# KiCad board flex_right_mod.kicad_pcb (continued)
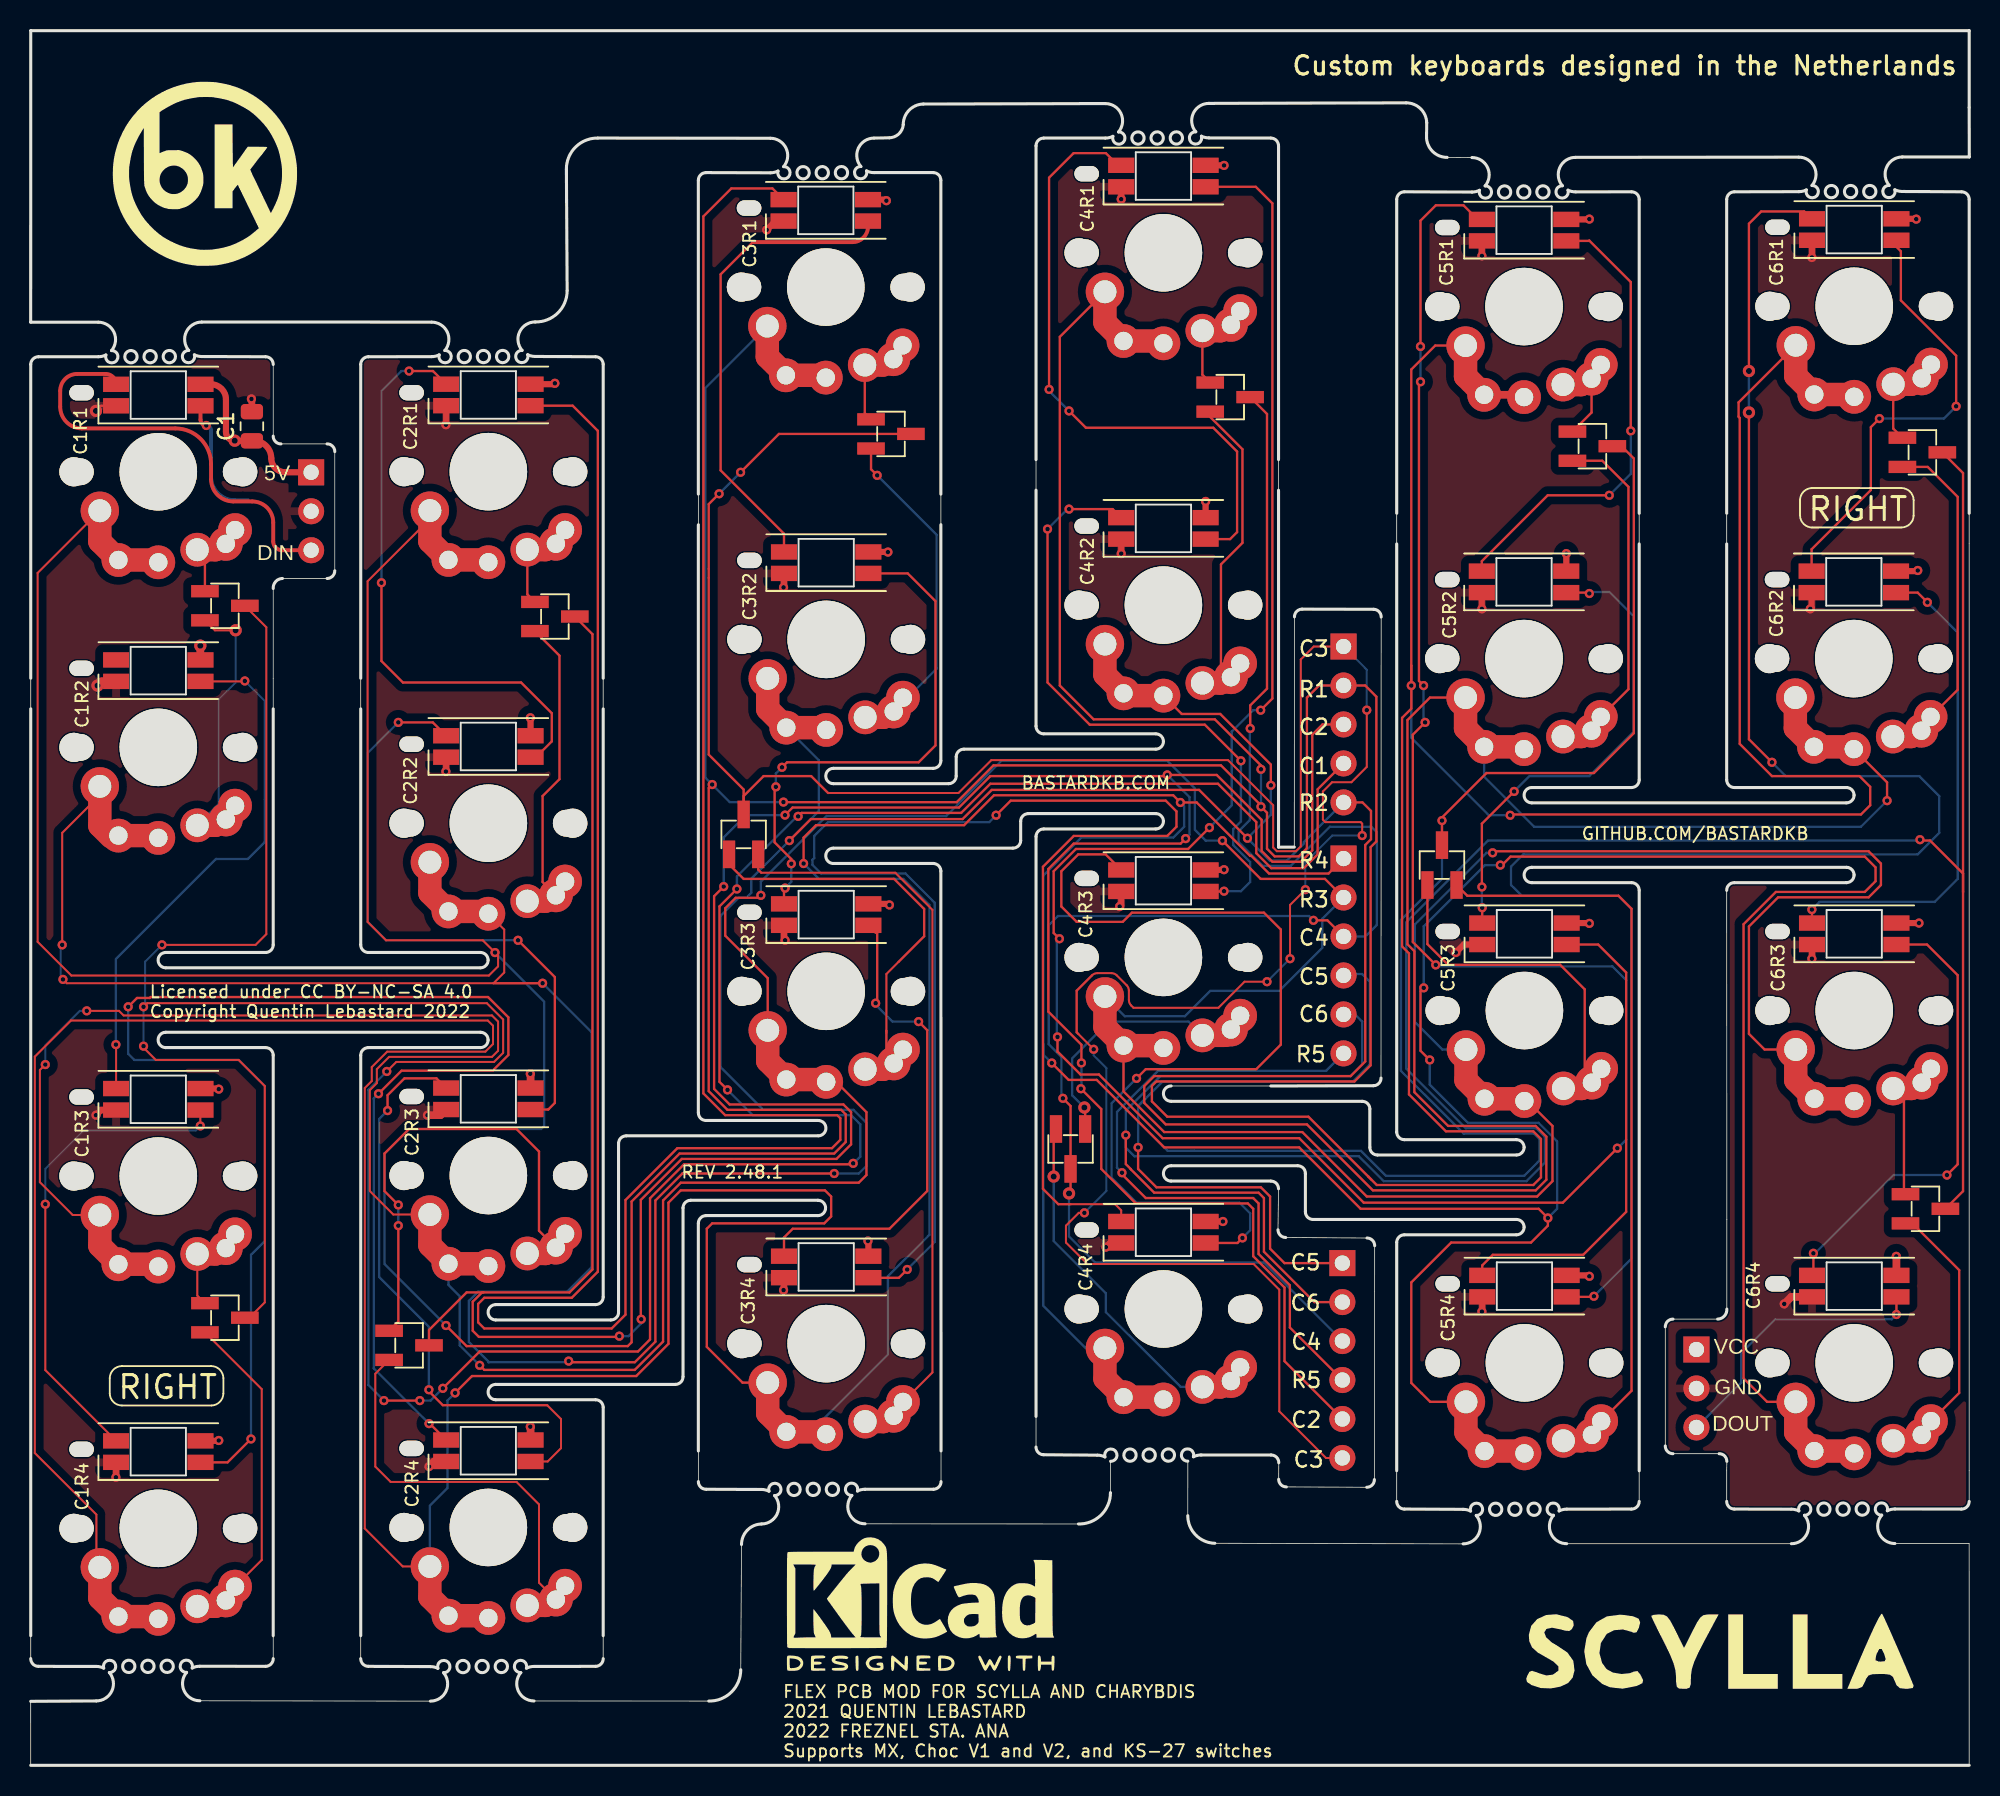
[diagram p0: board, top side]
## Routing (per net, layer and track width the routed paths; a pad name or vN(x,y) marks a point on that pad's centre or on a via; arc(x,y) is an arc through that point)
Gnd: length 28.9
  Top w0.15: v2(4.25,88.27) 4.59,88.6 D2.2
  Top w0.4: D43.2 71.05,102.07 v1(71.05,102.07) ; v1(71.05,78.97) 71.05,78.97 D41.2 ; D33.2 27.07,64.79 v1(27.05,64.77) ; v1(70.05,33.77) 70.32,34.04 D37.2 ; D49.2 93.37,53.49 v1(92.85,52.97) ; v1(116.05,52.57) 116.06,52.58 D57.2 ; v1(49.05,30.97) 49.08,31 D25.2 ; D21.2 49.08,76.8 v1(49.05,76.77) ; v1(115.95,75.37) 116.04,75.45 D55.2 ; v1(5.55,18.77) 5.56,18.78 D18.2 ; D23.2 49.08,53.84 v1(49.15,53.77) ; D4.2 4.59,42.71 v1(4.25,42.37) ; v1(27.05,87.37) 27.07,87.39 D35.2 ; v1(70.95,55.97) 71.05,56.07 D39.2 ; D53.2 116.06,98.28 v1(116.05,98.27) ; v1(94.55,29.57) 94.57,29.59 D51.2 ; D47.2 94.55,75.37 v1(94.55,75.37) ; C1.2 14.41,89.02 arc(14.4,89.04) v1(14.38,89.05) ; v1(47.95,100.07) 48.52,100.64 D19.2 ; D45.2 v1(94.55,98.37)
  Top w0.5: D3.2 4.62,70.64 v2(4.35,70.37) ; v1(114.25,30.07) 114.71,30.53 D59.2 ; D5.2 26.28,19.8 v1(25.95,19.47) ; v1(25.85,42.37) 26.7,42.37 D7.2
Vcc: length 39.9
  Top w0.4: D47.4 100.05,77.83 v1(100.05,78.97) ; v1(34.15,90.07) 34.09,90.01 D35.4 ; J3.1 16.59,84.27 arc(15.94,84.54) 15.67,85.19 arc(15.34,85.99) 14.54,86.32 C1.1 13.3,86.32 arc(13.3,86.32) v2(13.29,86.33) arc(12.89,86.5) 12.72,86.9 12.72,89.02 arc(12.43,89.72) 11.74,90 D2.4 ; D53.4 122.83,100.79 v1(122.85,100.77) ; D45.4 101.53,100.75 v1(101.55,100.77) ; v1(55.95,56.07) 55.88,56.14 D23.4 ; v1(54.55,34.17) 54.58,34.14 D25.4 ; v1(76.55,82.37) 76.55,82.37 D41.4 ; v1(101.55,31.87) 101.49,31.93 D51.4 ; D33.4 32.57,68.25 v1(32.55,68.27) ; v1(122.95,77.87) 122.91,77.83 D55.4 ; D4.4 12.22,44.11 v1(12.25,44.07) ; v1(123.03,54.89) D57.4 ; v1(77.75,104.27) 77.75,104.28 D43.4 ; v1(77.68,35.44) D37.4 ; D39.4 77.73,58.35 v1(77.75,58.37) ; v1(101.55,54.87) 101.53,54.89 D49.4 ; v1(12.25,21.17) 12.23,21.14 D18.4 ; D21.4 55.84,79.08 v1(55.85,79.07) ; v1(55.75,101.97) 55.68,102.04 D19.4
  Top w0.5: v1(121.55,33.17) 121.56,33.16 D59.4 ; D5.4 32.57,22.05 v1(32.55,22.07) ; D7.4 32.57,45.05 v1(32.55,45.07) ; D3.4 11.05,72.05 v2(11.05,72.97)
col1: length 237.7
  Top w0.13: v1(23.2,45.22) 23.82,45.84 30.19,45.84 30.78,46.43 30.78,48.61 29.72,49.67 7.59,49.67 v1(7.35,49.43) ; v1(8.55,53.47) 14.65,53.47 15.35,54.17 15.35,74.17 D13.3 ; v1(7.35,46.87) 7.35,46.77 8.15,45.97 13.55,45.97 15.25,44.27 15.25,30.17 14.25,29.17 D1.3
  Top w0.15: v1(25.35,23.77) v1(23.02,23.77) ; v1(53.59,39.23) 53.53,39.17 42.57,39.17 40.35,36.95 40.35,27.75 39.57,26.97 29.25,26.97 v1(26.85,24.57) ; J2.4 83.85,63.61 83.85,59.37 82.95,58.47 80.83,58.47 79.85,59.44 79.85,61.48 77.36,63.97 62.52,63.97 60.62,62.07 50.23,62.07 v1(50,61.85) ; v1(45.4,44.02) 44.88,44.54 44.88,55.98 v1(46.01,57.11)
  Bottom w0.13: v1(8.55,53.47) 7.45,52.37 7.45,49.53 v1(7.35,49.43) v1(7.35,46.87)
  Bottom w0.15: v1(46.01,57.11) 46.01,57.93 49.93,61.85 v1(50,61.85) ; v1(26.85,24.57) 26.05,23.77 v1(25.35,23.77) ; v1(23.2,45.22) 22,44.02 22,24.78 v1(23.02,23.77) ; v1(53.59,39.23) 53.61,39.23 54.05,39.67 54.05,41.78 53.46,42.37 47.05,42.37 v1(45.4,44.02)
col2: length 238.7
  Top w0.15: 29.5,30.82 29.41,30.82 28.8,30.21 28.8,28.32 29.2,27.92 38.3,27.92 v1(38.35,27.97) ; 29.5,30.82 28.4,30.82 25.95,28.37 D32.3 ; 29.5,30.82 35.11,30.82 36.6,32.31 36.6,73.72 D31.3 ; v1(68.46,45.78) 68.46,46.96 66.3,49.12 66.3,58.41 67.96,60.07 74.92,60.07 v1(75.25,60.4) ; J1.5 81.69,26.34 81.69,31.14 79.65,33.18 79.65,36.27 79.3,36.62 72,36.62 69.75,38.87 69.75,42.77 v1(68.43,44.1) ; v1(39.78,29.07) 39.75,29.1 39.75,36.85 42.42,39.52 52.5,39.52 53.45,40.47 53.45,42.57 52.95,43.07 45.54,43.07 44.53,44.08 44.53,56.64 v1(45.15,57.27) ; v1(49.15,61.93) 49.64,62.42 60.48,62.42 62.53,64.47 73.98,64.47 v1(74.05,64.54) 77.28,64.54 80.2,61.62 80.2,59.59 80.91,58.89 82.76,58.89 83.5,59.63 83.5,67.17 84.17,67.84 J2.3
  Bottom w0.15: v1(68.43,44.1) 68.46,44.13 v1(68.46,45.78) ; v1(75.25,60.4) 75.5,60.65 75.5,63.09 v1(74.05,64.54) ; v1(39.78,29.07) 39.78,28.8 38.95,27.97 v1(38.35,27.97) ; v1(49.15,61.93) 46.61,61.93 45.15,60.47 v1(45.15,57.27)
col3: length 187.7
  Top w0.13: v1(86.75,60.6) 86.75,61.37 86.65,61.47 84.35,61.47 84.19,61.63 84.19,63.47 84.79,64.07 86.05,64.07 87.05,65.07 v1(87.05,68.77) ; 51.95,63.37 60.45,63.37 62.59,65.51 78.01,65.51 80.95,62.57 80.95,59.82 81.19,59.58 82.44,59.58 82.75,59.89 82.75,72.07 83.6,72.92 J2.1 ; v1(80.55,51.07) 79.09,51.07 77.39,49.37 71.85,49.37 71.7,49.52 arc(71.59,49.69) 71.55,49.88 71.55,50.49 arc(71.51,50.68) 71.41,50.84 70.77,51.48 arc(70.6,51.59) 70.41,51.63 69.5,51.63 arc(69.31,51.59) 69.15,51.48 ; v1(83.05,57.07) 82.05,56.07 v1(82.05,52.57) ; v1(69.26,46.66) 68.25,47.67 ; v1(68.65,36.01) 68.29,36.01 67.45,35.17 67.45,34.07 68.85,32.67 79.68,32.67 81.35,31 81.35,23.07 84.39,20.03 J1.6
  Top w0.15: 68.25,47.67 68.15,47.77 68.15,50.49 69.15,51.48 ; D9.3 48.75,86.77 v1(46.25,84.27) ; v1(44.85,82.87) 44.18,82.19 44.18,65.87 46.45,63.59 D10.3 46.45,63.17 47.75,64.47 50.85,64.47 51.95,63.37
  Bottom w0.13: v1(83.05,57.07) 83.05,58.84 84.81,60.6 v1(86.75,60.6) ; v1(68.65,36.01) 70.09,37.44 70.09,45.43 69.26,46.26 v1(69.26,46.66) ; v1(80.55,51.07) v1(82.05,52.57) ; J2.1 87.05,71.4 v1(87.05,68.77)
  Bottom w0.15: v1(44.85,82.87) v1(46.25,84.27)
col4: length 111.1
  Top w0.15: J4.3 84.49,55.07 v1(83.58,55.07) ; D11.3 80.55,88.07 80.55,70.17 79.46,69.08 v1(79.46,67.58) ; v2(67.65,37.27) 67.75,37.37 D12.3 67.75,42.97 v1(67.25,43.47)
  Bottom w0.15: v1(79.46,67.58) 79.43,67.55 79.43,61.6 78.7,60.87 78.7,60.18 80.26,58.62 82.1,58.62 84.65,61.17 87.35,61.17 87.71,60.81 87.71,54.77 86.96,54.02 J4.3 ; v2(67.65,37.27) 67.65,34.47 69.35,32.77 80.34,32.77 J1.3 ; v1(67.25,43.47) 67.15,43.57 67.15,46.17 66.33,46.99 66.33,54.74 66.93,55.35 83.3,55.35 v1(83.58,55.07)
col5: length 140.6
  Top w0.15: D15.3 v1(91.95,61.57) 91.95,61.77 94.85,64.67 101.85,64.67 104.45,67.27 104.45,85.17 103.65,85.97 D14.3 ; J1.1 81.69,32.73 80.75,33.67 80.75,37.07 80.15,37.67 73.35,37.67 72.15,38.86 v1(72.15,40.27)
  Bottom w0.15: v1(91.95,61.57) 91.95,57.77 89.28,55.09 89.28,45.26 93.36,41.17 97.95,41.17 98.3,40.82 98.3,39.41 97.31,38.42 88.3,38.42 86.68,40.04 75.83,40.04 ; 75.83,40.04 75.58,40.04 ; 75.83,40.04 74.08,40.04 72.15,41.97 72.15,42.17 ; 72.15,42.17 v1(72.15,40.27) ; 72.15,42.17 72.15,42.97 ; 72.65,43.47 72.15,42.97 ; 72.15,42.97 73.73,44.55 74.19,44.55 74.41,44.56 74.41,44.56 86.14,44.56 87.25,45.68 87.25,51.07 86.75,51.57 85.63,51.57 J4.4
col6: length 186.8
  Top w0.15: 125.9,56.92 125.9,37.42 D17.3 ; 125.9,56.92 125.9,84.22 D16.3 ; 125.9,56.92 125.9,58.12 123.75,60.27 123.15,60.27 v1(123.1,60.33) ; J1.2 83.63,30.19 80.35,33.47 80.35,36.97 80,37.32 73.2,37.32 71.68,38.85 71.68,38.86 71.35,39.18 v1(71.35,41.07)
  Bottom w0.15: J4.5 86.28,48.94 86.75,48.47 86.75,45.67 86,44.91 73.6,44.91 71.35,42.67 v1(71.35,41.07) 71.35,40.26 71.91,39.69 86.53,39.69 88.16,38.07 97.45,38.07 98.65,39.27 98.65,40.97 98.1,41.52 93.51,41.52 89.63,45.4 89.63,54.94 94.95,60.27 123.04,60.27 v1(123.1,60.33)
Din: length 29
  Top w0.15: D2.3 5.42,90 5.05,90.37
  Top w0.25: J3.3 16.37,79.19 arc(15.97,79.36) 15.8,79.76 15.8,81 arc(15.4,81.97) 14.43,82.37 13.2,82.37 arc(12.18,82.79) 11.75,83.82 11.75,84.8 arc(11.07,86.45) 9.42,87.13 3.33,87.13 arc(2.34,87.54) 1.92,88.54 1.92,89.57 arc(2.25,90.35) 3.03,90.68 4.89,90.68 arc(5.37,90.48) D2.3
Dout: length 18.4
  Top w0.15: v1(121.56,29.38) D59.1
  Bottom w0.15: J5.3 111.45,24.94 111.45,26.87 113.65,29.07 121.25,29.07 v1(121.56,29.38)
row1: length 588.6
  Top w0.13: SW5.1 26.01,81.23 21.95,77.17 21.95,54.97 23.15,53.77 29.45,53.77 v1(30.25,52.97) 30.45,52.77 30.45,52.07 29.85,51.47 2.65,51.47 0.45,53.67 0.45,77.71 SW1.1
  Top w0.15: SW14.1 67.05,93.1 67.05,70.37 69.25,68.17 77.15,68.17 80.16,65.16 v1(80.16,64.91) ; v1(27.06,28.66) 28.4,27.32 38.9,27.32 39.15,27.57 39.15,36.74 42.28,39.87 52.35,39.87 53.1,40.62 53.1,42.43 52.81,42.72 45.39,42.72 44.18,43.94 44.18,63.69 v1(44.4,63.92) ; 93.49,92.52 93.49,90.71 ; 89.95,71.67 89.95,68.86 89.35,68.26 89.35,53.37 89.8,52.92 89.8,43.73 92.21,41.32 97.9,41.32 98.4,40.82 98.4,38.32 97.9,37.82 87.7,37.82 87.15,38.37 ; 89.95,71.67 v1(89.95,70.37) ; 89.95,71.67 89.95,90.97 91.51,92.53 SW19.1 ; 87.15,38.37 83.25,42.27 74.05,42.27 73.05,43.27 73.05,44.28 73.35,44.57 86.25,44.57 87.3,45.62 87.3,59.84 87.68,60.21 87.68,69.64 86.95,70.38 J2.2 83.95,70.38 83.15,69.58 83.15,59.77 82.62,59.24 81.05,59.24 80.55,59.73 80.55,62.08 v1(80.16,62.48) 80.16,62.56 77.55,65.17 62.73,65.17 60.33,62.77 49.05,62.77 v1(49.05,62.78) ; 87.15,38.37 87.35,38.17 ; SW23.1 111.28,88.82 111.28,87.89 111.35,87.82 111.35,66.57 113.45,64.47 119.15,64.47 119.85,63.77 119.85,62.57 119.25,61.97 96.45,61.97 v1(96.39,61.92)
  Top w0.5: SW19.1 97.15,89.32 SW19.1
  Top w1.524: SW5.1 29.67,78.56 SW5.1 26.01,79.77 SW5.1 ; 94.7,89.31 93.49,90.52 93.49,92.52 ; SW9.1 51.66,90.59 SW9.1 48,91.8 SW9.1 ; SW14.1 73.65,92.83 SW14.1 69.99,94.04 SW14.1 ; SW23.1 118.66,89.34 SW23.1 115,90.55 SW23.1 ; SW1.1 4.5,79.76 SW1.1 8.16,78.55 SW1.1
  Bottom w0.15: v1(96.39,61.92) 95.01,61.92 89.95,66.97 v1(89.95,70.37) ; v1(30.25,52.97) 33.45,49.77 33.45,41.67 33.25,41.47 24.65,41.47 23.05,39.87 23.05,32.67 v1(27.06,28.66) ; SW9.1 43.95,89.76 43.95,64.37 v1(44.4,63.92) 45.55,62.78 v1(49.05,62.78) ; v1(80.16,64.91) v1(80.16,62.48)
row2: length 391.6
  Top w0.13: SW6.1 30.85,54.47 30.85,51.67 30.15,50.97 2.35,50.97 v1(2.1,51.22) ; SW2.1 4.5,63.22 2.05,60.77 v1(2.05,53.47)
  Top w0.15: 30.15,50.97 v1(33.35,50.97) ; v1(52.35,38.57) 52.35,38.57 42.46,38.57 40.7,36.81 40.7,27.61 39.36,26.27 35.13,26.27 v1(35.05,26.34) ; v1(80.8,63.87) 80.8,65.22 77.5,68.52 75,68.52 SW15.1 ; v1(49.43,60.27) 50.84,61.67 60.72,61.67 62.62,63.57 76.13,63.57 v1(79.28,60.42) ; J2.5 86.77,62.76 87.33,62.2 87.33,60.36 86.95,59.98 86.95,45.87 86,44.92 73.2,44.92 72.55,44.27 72.55,43.17 73.95,41.77 83.15,41.77 87.45,37.47 98.06,37.47 98.75,38.16 98.75,40.97 98.05,41.67 92.35,41.67 90.15,43.87 90.15,53.06 89.7,53.51 89.7,68.12 91.17,69.59 SW20.1 ; SW24.1 120.95,64.06 v1(120.95,62.87)
  Top w1.524: SW15.1 69.99,71.07 SW15.1 71.35,69.71 SW15.1 ; SW2.1 8.16,60.59 SW2.1 ; SW6.1 29.67,55.65 SW6.1 26.01,56.86 SW6.1 ; SW24.1 114.98,67.59 SW24.1 118.64,66.38 SW24.1 ; SW20.1 93.49,67.59 SW20.1 97.15,66.38 SW20.1 ; SW10.1 51.68,67.63 SW10.1 48.02,68.84 SW10.1 ; SW2.1 4.5,61.24 5.24,60.51
  Bottom w0.13: v1(2.05,53.47) 1.95,53.37 1.95,51.37 v1(2.1,51.22)
  Bottom w0.15: v1(120.95,62.87) 119.25,61.17 97.95,61.17 94.7,64.42 SW20.1 ; v1(52.35,38.57) 53.95,38.57 54.45,39.07 54.45,41.87 53.6,42.72 47.73,42.72 44.95,45.5 44.95,55.37 46.12,56.54 46.62,56.54 46.95,56.87 46.95,57.79 v1(49.43,60.27) 51.35,62.19 51.35,65.51 SW10.1 ; v1(35.05,26.34) 34.98,26.27 29.83,26.27 29.83,26.31 28.55,27.58 28.55,30.27 29.15,30.87 34.95,30.87 36.55,32.47 36.55,47.77 v1(33.35,50.97) ; J2.5 82.95,60.17 82.95,60.07 81.85,58.97 80.73,58.97 v1(79.28,60.42) 80.8,61.94 v1(80.8,63.87)
row3: length 341.3
  Top w0.13: SW7.1 23.62,35.9 22.1,37.43 22.1,44 22.55,44.46 22.55,45.37 23.35,46.17 30.05,46.17 30.45,46.57 30.45,48.47 30.05,48.87 6.05,48.87 5.75,49.17 v1(3.65,49.17) ; SW3.1 2.74,35.87 0.6,38.01 0.6,45.31 v1(0.95,45.67)
  Top w0.15: J4.2 84.33,57.77 80.14,57.77 v1(77.65,60.26) ; SW16.1 71.2,43.92 73.85,41.27 82.85,41.27 87.05,37.07 98.15,37.07 99.15,38.07 99.15,41.67 97.53,43.29 SW21.1 ; v1(95.25,59.47) 95.35,59.57 119.75,59.57 120.55,58.77 120.55,57.37 119.75,56.57 113.85,56.57 111.95,54.67 111.95,47.67 112.97,46.65 SW25.1 ; SW11.1 48.02,51.3 45.25,54.07 45.25,55.86 45.93,56.54 47.41,56.54 v1(47.57,56.7) ; SW11.1 52.48,44.54 54.45,42.57 54.45,38.47 53.95,37.97 42.36,37.97 41.2,36.81 41.2,27.61 39.36,25.77 29.55,25.77 v1(29.25,26.07)
  Top w1.524: SW11.1 51.68,44.69 SW11.1 48.02,45.9 SW11.1 ; SW7.1 29.67,32.69 SW7.1 26.01,33.9 SW7.1 ; SW3.1 8.16,32.66 SW3.1 4.5,33.87 SW3.1 ; SW21.1 97.17,43.44 SW21.1 93.51,44.65 SW21.1 ; SW25.1 115,44.65 SW25.1 118.66,43.44 SW25.1 ; SW16.1 69.99,48.11 SW16.1 73.65,46.9 SW16.1
  Bottom w0.13: v1(3.65,49.17) 3.2,49.17 0.95,46.92 v1(0.95,45.67)
  Bottom w0.15: SW16.1 71.28,48.82 75.2,48.82 76.85,50.47 81.35,50.47 84.15,53.27 84.15,55.17 J4.2 ; v1(29.25,26.07) 27.95,27.37 27.95,30.57 27.22,31.3 SW7.1 ; v1(77.65,60.26) 76.56,60.26 75.85,60.97 75.85,63.67 74.05,65.47 63.25,65.47 59.65,61.87 51.85,61.87 47.57,57.59 v1(47.57,56.7) ; v1(95.25,59.47) 94.85,59.47 90.19,54.8 90.19,48.44 91.97,46.65 SW21.1
row4: length 514.8
  Top w0.13: SW4.1 4.28,13.13 4.28,16.34 0.27,20.35 0.27,46.18 2.62,48.54 29.78,48.54 30.12,48.2 30.12,47.01 29.62,46.51 23.23,46.51 22.22,45.51 22.22,44.6 21.77,44.14 21.77,15.44 24.24,12.96 SW8.1
  Top w0.15: SW26.1 113.13,23.69 111.6,25.22 111.6,54.81 113.71,56.92 119.5,56.92 120.2,57.62 120.2,58.52 119.5,59.22 96.42,59.22 95.87,58.67 v1(95.75,58.67) ; J4.1 84.56,58.12 80.68,58.12 79.53,59.27 79.45,59.27 75.97,62.75 v1(74.91,62.75) 74.44,63.22 62.76,63.22 60.81,61.27 51.17,61.27 50.36,60.46 v1(50.36,58.77) ; SW22.1 91.18,23.69 89.95,24.92 89.95,31.47 92.55,34.07 97.75,34.07 98.85,35.17 v1(98.85,35.67) 98.25,36.27 86.65,36.27 82.65,40.27 73.86,40.27 69.46,44.67 67.63,44.67 v1(66.53,45.77) ; v1(90.76,50.67) 90.55,50.46 90.55,46.57 v1(91.15,45.97) ; v1(27.65,24.27) 28.75,25.37 39.45,25.37 41.55,27.47 41.55,36.67 42.35,37.47 51.75,37.47 52.15,37.07 52.15,35.77 51.7,35.32 44.4,35.32 44.05,34.97 44.05,27.27 46.38,24.94 SW12.1
  Top w1.524: SW22.1 93.51,21.69 SW22.1 97.17,20.48 SW22.1 ; SW17.1 69.99,25.2 SW17.1 73.65,23.99 SW17.1 ; SW12.1 48.02,22.94 SW12.1 51.68,21.73 SW12.1 ; SW8.1 26.01,10.96 SW8.1 29.67,9.75 SW8.1 ; SW26.1 118.66,20.48 SW26.1 115,21.69 SW26.1 ; SW4.1 8.16,9.69 SW4.1 4.5,10.9 SW4.1
  Bottom w0.15: 65.98,46.99 65.98,57.99 68.45,60.47 74.45,60.47 75.15,61.17 75.15,62.51 v1(74.91,62.75) ; 65.98,46.99 65.98,46.32 v1(66.53,45.77) ; 65.98,46.99 65.98,29.94 68.72,27.2 SW17.1 ; SW8.1 26.01,16.93 27.15,18.07 27.15,23.77 v1(27.65,24.27) ; v1(98.85,35.67) 99.45,36.27 99.45,40.66 98.25,41.87 93.65,41.87 91.15,44.37 v1(91.15,45.97) ; v1(95.75,58.67) 94.75,58.67 90.76,54.68 v1(90.76,50.67) ; SW12.1 50.81,21.73 55.85,26.77 55.85,31.87 58.55,34.57 58.55,56.07 56.85,57.77 51.36,57.77 v1(50.36,58.77)
row5: length 44
  Top w0.15: J1.4 82.04,28.53 82.04,31.29 80,33.33 80,36.62 79.65,36.97 72.65,36.97 71.1,38.52 v1(71.1,38.62)
  Bottom w0.15: J4.6 84.4,45.26 73.46,45.26 70.78,42.59 70.78,38.94 v1(71.1,38.62)
Net-(D1-A): length 6.4
  Top w0.13: D1.2 10.85,30.62 SW3.2
  Top w1.524: SW3.2 12.03,33.33 SW3.2
Net-(D1-A)_1: length 21.8
  Top w0.13: D1.1 15.05,24.52 15.05,13.38 SW4.2
  Top w1.524: SW4.2 12.03,10.36 SW4.2
Net-(D2-DOUT): length 8.3
  Top w0.25: D2.1 11.06,87.7 arc(11.17,87.43) v1(11.44,87.32)
  Bottom w0.25: 14.17,82.45 13.3,82.45 arc(12.21,82.9) 11.75,84 11.75,87.01 arc(11.66,87.23) v1(11.44,87.32)
Net-(D3-DOUT): length 35.2
  Top w0.13: v1(13.95,70.67) 13.92,70.64 D3.1 ; v1(5.55,46.97) 5.56,46.96 D4.3
  Bottom w0.13: v1(13.95,70.67) 15.25,69.37 15.25,62.97
  Bottom w0.15: 15.25,62.97 15.25,60.17 14.15,59.07 12.07,59.07 5.55,52.55 v1(5.55,46.97)
Net-(D5-DOUT): length 39
  Top w0.13: D5.1 33.68,19.8 34.55,20.67 34.55,22.57 33.65,23.47
  Top w0.15: D7.3 26.44,44.77 24.35,44.77 23.25,43.67 v1(23.25,42.67) ; v1(25.95,24.48) 25.95,24.38 26.85,23.47 33.65,23.47
  Bottom w0.15: v1(23.25,42.67) 22.7,42.12 22.7,31.82 25.95,28.58 v1(25.95,24.48)
Net-(D9-A): length 23.1
  Top w0.15: v1(55.15,84.07) 54.75,84.47 D9.1
  Top w1.524: SW10.2 55.55,68.3 SW10.2
  Bottom w0.15: v1(55.15,84.07) 59.03,80.19 59.03,71.48 SW10.2
Net-(D9-A)_1: length 6.7
  Top w0.15: D9.2 54.34,88.13 SW9.2
  Top w1.524: SW9.2 55.52,91.26 SW9.2
Net-(D10-A): length 49.3
  Top w0.13: 47.6,58.17 56.33,58.17 58.75,55.75 58.75,25.6 SW12.2
  Top w0.15: 47.6,58.17 47.4,58.37 D10.1
  Top w1.524: SW12.2 55.55,22.4 SW12.2
Net-(D10-A)_1: length 29
  Top w0.13: 56.55,52.37 55.75,51.57 55.75,47.72
  Top w0.15: SW11.2 55.75,46.22 55.75,47.87 ; D10.2 45.5,58.72 46.45,57.77 56.25,57.77 58.21,55.81 58.21,54.03 56.55,52.37
  Top w1.524: SW11.2 55.55,45.36 SW11.2
Net-(D11-A): length 22
  Top w0.15: SW15.2 77.55,71.56 77.55,78.27 78.95,79.67 78.95,85.77 76.85,87.87 D11.1
  Top w1.524: SW15.2 77.52,70.53 SW15.2
Net-(D11-A)_1: length 6.6
  Top w0.15: SW14.2 76.34,90.63 D11.2
  Top w1.524: SW14.2 77.52,93.5 SW14.2
Net-(D12-A): length 24.7
  Top w0.15: D12.1 66.65,41.32 v2(66.65,38.37)
  Top w1.524: SW17.2 77.52,24.66 SW17.2
  Bottom w0.15: SW17.2 74.93,24.66 70.05,29.54 70.05,30.77 66.65,34.17 v2(66.65,38.37)
Net-(D12-A)_1: length 18
  Top w0.15: v2(68.65,42.87) 68.7,42.82 D12.2
  Top w1.524: SW16.2 77.82,47.57 SW16.2 78.8,48.55 SW16.2
  Bottom w0.15: SW16.2 75.44,48.47 70.25,48.47 67.85,46.07 67.85,43.67 v2(68.65,42.87)
Net-(D13-A): length 5.9
  Top w0.15: D13.2 11.35,78.73 SW1.2
  Top w1.524: SW1.2 12.03,79.22 SW1.2
Net-(D13-A)_1: length 19
  Top w0.13: v2(13.35,73.97) 12,73.97 D13.1
  Top w1.524: SW2.2 12.03,61.26 SW2.2
  Bottom w0.13: SW2.2 12.25,62.66 12.25,69.47 13.35,70.57 v2(13.35,73.97)
Net-(D14-A): length 7
  Top w0.15: D14.2 101.7,88.17 SW19.2
  Top w1.524: 99.84,89.98 101.02,89.98 102.3,91.26
Net-(D14-A)_1: length 23.1
  Top w0.15: D14.1 102.4,85.02 104.1,83.32 104.1,70.13 SW20.2
  Top w1.524: SW20.2 101.02,67.05 SW20.2
Net-(D15-A): length 49.2
  Top w0.15: SW22.2 104.3,24.41 104.3,55.82 103.45,56.67 93.6,56.67 D15.1
  Top w1.524: SW22.2 101.04,21.15 SW22.2
Net-(D15-A)_1: length 24.6
  Top w0.15: SW21.2 101.25,44.96 101.25,50.57 99.65,52.17 92.35,52.17 91,53.52 D15.2
  Top w1.524: SW21.2 101.04,44.11 SW21.2
Net-(D16-A): length 22.5
  Top w0.15: D16.1 123.6,84.62 125.55,82.67 125.55,70.09 SW24.2
  Top w1.524: SW24.2 122.51,67.05 SW24.2
Net-(D16-A)_1: length 6.7
  Top w0.15: SW23.2 121.35,87.12 D16.2
  Top w1.524: SW23.2 122.53,90.01 SW23.2
Net-(D17-A): length 10.2
  Top w0.15: D17.2 122.05,37.32 122.05,43.41 SW25.2
  Top w1.524: SW25.2 122.53,44.11 SW25.2
Net-(D17-A)_1: length 18.4
  Top w0.15: SW26.2 125.65,24.27 125.65,32.27 122.6,35.32 D17.1
  Top w1.524: SW26.2 122.53,21.15 SW26.2
Net-(D18-DIN): length 31.9
  Top w0.13: v1(0.95,36.57) 0.95,25.76 D18.3 ; v1(11.05,41.67) 11.05,42.69 D4.1
  Bottom w0.13: v1(11.05,41.67) 10.75,41.37 3.45,41.37 0.95,38.87 v1(0.95,36.57)
Net-(D18-DOUT): length 102.3
  Top w0.15: v1(25.95,22.27) 26,22.27 D5.3 ; D18.1 12.83,19.74 v1(14.35,21.27) ; v1(6.35,49.43) 6.93,50.01 7.76,50.01 7.82,50.07 29.8,50.07 31.12,48.75 31.12,46.29 30.1,45.27 24.16,45.27 v1(22.66,43.77)
  Bottom w0.15: v1(14.35,21.27) 14.35,33.27 15.25,34.17 15.25,44.27 13.55,45.97 6.75,45.97 6.35,46.37 v1(6.35,49.43) ; v1(25.95,22.27) 22.35,25.87 22.35,43.46 v1(22.66,43.77)
Net-(D19-DIN): length 177.4
  Top w0.15: D35.1 35.31,88.61 36.95,86.97 36.95,32.17 35.25,30.47 29.55,30.47 29.15,30.07 29.15,28.87 29.55,28.47 37.85,28.47 38.75,29.37 38.75,36.84 42.13,40.22 52.21,40.22 52.75,40.76 52.75,42.17 52.55,42.37 45.25,42.37 43.83,43.79 43.83,100.94 45.65,102.77 48.33,102.77 D19.3
Net-(D19-DOUT): length 31.2
  Top w0.15: D21.3 49.08,80.27 44.95,84.39 44.95,97.17 47.05,99.27
  Top w0.25: 47.05,99.27 53.54,99.27 arc(54.26,99.57) 54.55,100.28 D19.1
Net-(D21-DOUT): length 34.9
  Top w0.15: v1(49.15,57.17) 49.08,57.1 D23.3 ; v1(48.55,63.77) 48.47,63.69 48.47,60.15 49.56,59.06 v1(49.56,58.76) ; v1(48.95,65.04) 49.28,65.37 57.85,65.37 58.95,66.47 58.95,75.87 57.14,77.68 D21.1
  Bottom w0.15: v1(48.55,63.77) 48.55,64.64 v1(48.95,65.04) ; v1(49.56,58.76) 49.56,57.58 v1(49.15,57.17)
Net-(D23-DOUT): length 31.8
  Top w0.15: v1(57.85,48.47) 58.41,47.91 58.41,37.43 55.95,34.97 49.65,34.97 49.08,34.4 D25.3 ; v1(55.05,49.67) 55.15,49.77 55.15,54.27 55.05,54.27 D23.1
  Bottom w0.15: v1(57.85,48.47) 56.15,48.47 55.05,49.57 v1(55.05,49.67)
Net-(D25-DOUT): length 101.3
  Top w0.13: D37.3 71.05,36.17 70.65,36.57 67.75,36.57
  Top w0.15: 67.75,36.57 66.95,36.57 65.95,37.57 65.95,58.56 67.96,60.57 74.05,60.57 74.65,61.17 74.65,62.17 73.95,62.87 63.85,62.87 v1(62.9,61.92) ; v1(57.11,32.31) 56.56,31.77 55.09,31.77 55.08,31.78 D25.1
  Bottom w0.15: v1(62.9,61.92) 62.45,61.47 51.95,61.47 51.05,60.57 51.05,59.13 50.93,59.01 50.93,58.69 51.5,58.12 57,58.12 58.9,56.21 58.9,34.11 v1(57.11,32.31)
Net-(D31-A): length 21.7
  Top w0.15: SW6.2 33.35,57.57 33.35,63.17 34.45,64.27 34.45,72.32 D31.1
  Top w1.524: SW6.2 33.54,56.32 SW6.2
Net-(D31-A)_1: length 6.6
  Top w0.15: SW5.2 32.36,76.31 D31.2
  Top w1.524: SW5.2 33.54,79.23 SW5.2
Net-(D32-A): length 33.2
  Top w0.15: v1(23.95,36.52) 23.05,37.42 23.05,39.87 24.65,41.47 31.65,41.47 33.12,40 33.12,34.84 SW7.2 ; v1(23.95,35.17) 23.95,28.92 D32.2
  Top w1.524: SW7.2 33.54,33.36 SW7.2
  Bottom w0.15: v1(23.95,36.52) v1(23.95,35.17)
Net-(D32-A)_1: length 28.7
  Top w0.13: D32.1 22.45,25.52 22.45,19.47 23.45,18.47 31.65,18.47 33.12,17 33.12,11.9 SW8.2
  Top w1.524: SW8.2 33.54,10.42 SW8.2
Net-(D33-DIN): length 41
  Top w0.15: D33.3 26.2,67.97 v1(23.95,67.97) ; v1(31.75,53.77) 34.15,51.37 34.15,43.17 33.72,42.74 D7.1
  Bottom w0.15: v1(23.95,67.97) 21.95,65.97 21.95,54.97 23.15,53.77 v1(31.75,53.77)
Net-(D33-DOUT): length 38.9
  Top w0.15: D33.1 32.92,65.7 33.95,66.73 33.95,68.57 31.95,70.57 24.25,70.57 22.85,71.97 v1(22.85,77.07) ; D35.3 26.21,90.87 v1(24.65,90.87)
  Bottom w0.15: v1(24.65,90.87) 24.15,90.87 22.85,89.57 v1(22.85,77.07)
Net-(D37-DOUT): length 61.8
  Top w0.15: D39.3 70.03,59.37 68.25,59.37 67.15,58.27 67.15,55.97 68.15,54.97 71.15,54.97 71.75,55.57 80.35,55.57 81.45,54.47 81.45,46.97 79.85,45.37 72.65,45.37 v1(72.05,44.77) ; D37.1 78.62,34.04 v1(78.95,34.37)
  Bottom w0.15: v1(72.05,44.77) 70.43,43.15 70.43,38.29 72.05,36.67 78.75,36.67 79.45,35.97 79.45,34.87 v1(78.95,34.37)
Net-(D39-DOUT): length 42
  Top w0.15: v1(66.25,80.57) 66.25,70.57 69,67.82 76.5,67.82 v1(78.85,65.47) ; v1(77.75,56.97) 77.73,56.95 D39.1 ; D41.3 70.5,81.87 v1(67.65,81.87)
  Bottom w0.15: v1(67.65,81.87) 67.55,81.87 v1(66.25,80.57) ; v1(78.85,65.47) 78.85,65.47 78.85,61.51 78.35,61.02 78.35,59.97 79.45,58.87 79.45,57.57 78.85,56.97 v1(77.75,56.97)
Net-(D41-DOUT): length 41
  Top w0.15: D43.3 70.85,104.28 70.05,105.07 67.95,105.07 66.35,103.47 v1(66.35,89.67) ; v1(67.65,88.27) 68.75,87.17 77.05,87.17 78.6,85.62 78.6,80.37 78.15,79.91 D41.1
  Bottom w0.15: v1(66.35,89.67) 66.35,89.57 v1(67.65,88.27)
Net-(D43-DOUT): length 191.3
  Top w0.15: v1(103.38,40.22) 99.83,36.67 86.85,36.67 82.65,40.87 73.75,40.87 69.6,45.02 68.4,45.02 66.9,46.52 v1(66.9,47.47) ; D45.3 94.27,100.75 93.35,101.67 91.55,101.67 90.55,100.67 v1(90.55,92.47) ; v1(90.75,70.37) 90.45,70.67 90.45,90.07 v1(90.55,90.17) ; v1(67.03,53.87) 66.65,54.24 66.65,58.27 68.1,59.72 75.41,59.72 v1(76.8,61.11) ; v1(90.85,67.97) 90.05,67.17 90.05,53.66 v1(91.55,52.16) ; D43.1 79.82,102.88 80.9,101.79 80.9,69.53 v1(80.14,68.76)
  Bottom w0.15: v1(90.75,70.37) 90.75,68.07 v1(90.85,67.97) ; v1(103.38,40.22) 103.4,40.22 103.95,40.77 103.95,51.17 103.05,52.07 91.64,52.07 v1(91.55,52.16) ; v1(90.55,90.17) v1(90.55,92.47) ; v1(66.9,47.47) 66.85,47.52 66.85,53.7 v1(67.03,53.87) ; v1(76.8,61.11) 78.25,62.56 78.25,67.37 79.65,68.76 v1(80.14,68.76)
Net-(D45-DOUT): length 30.5
  Top w0.15: D45.1 101.53,99.35 101.55,99.37 104.25,96.67 v1(104.25,86.97) ; v1(102.85,82.77) 98.84,82.77 94.55,78.48 D47.3
  Bottom w0.15: v1(104.25,86.97) 104.25,84.17 v1(102.85,82.77)
Net-(D47-DOUT): length 31.5
  Top w0.15: v1(96.65,63.47) 94.55,61.37 v1(94.55,57.24) ; v1(94.57,55.89) D49.3 ; v1(101.55,76.37) 101.49,76.43 D47.1
  Bottom w0.15: v1(101.55,76.37) 101.65,76.47 102.85,76.47 104.45,74.87 104.45,67.37 101.55,64.47 97.65,64.47 v1(96.65,63.47) ; v1(94.55,57.24) 94.55,55.91 v1(94.57,55.89)
Net-(D49-DOUT): length 31.7
  Top w0.15: D49.1 102.13,53.49 103.95,51.67 103.95,36.07 101.15,33.27 95.26,33.27 94.57,32.58 D51.3
Net-(D51-DOUT): length 121.1
  Top w0.15: v2(111.95,90.87) 111.95,100.47 112.75,101.27 115.55,101.27 115.91,100.91 115.94,100.91 D53.3 ; v1(113.45,65.37) 111.95,66.87 v2(111.95,88.17) ; v1(101.85,30.57) 101.81,30.53 D51.1
  Bottom w0.15: v2(111.95,90.87) v2(111.95,88.17) ; v1(113.45,65.37) 114.35,64.47 123.05,64.47 124.35,63.17 124.35,60.77 122.95,59.37 97.25,59.37 96.45,58.57 96.45,57.37 97.15,56.67 103.45,56.67 104.3,55.82 104.3,33.02 v1(101.85,30.57)
Net-(D53-DOUT): length 29.5
  Top w0.15: v1(120.45,87.77) 119.9,87.21 119.9,83.11 116.04,79.25 D55.3 ; D53.1 121.56,98.96 121.85,98.67 121.85,95.47 125.45,91.87 v1(125.45,88.57)
  Bottom w0.15: v1(125.45,88.57) 124.65,87.77 v1(120.45,87.77)
Net-(D55-DOUT): length 32.4
  Top w0.15: D57.3 116.06,55.76 v1(116.05,55.77) ; v1(123.58,75.8) 122.94,76.43 D55.1
  Bottom w0.15: v1(123.58,75.8) 125.55,73.82 125.55,57.77 124.05,56.27 116.55,56.27 v1(116.05,55.77)
Net-(D57-DOUT): length 30.4
  Top w0.15: v1(124.85,38.47) 125.55,39.17 125.55,51.49 123.56,53.49 D57.1 ; D59.3 116.15,32.02 v1(116.15,33.37)
  Bottom w0.15: v1(116.15,33.37) 116.25,33.37 121.35,38.47 v1(124.85,38.47)

## Copper pours and planes (outline as drawn; the poured copper is in the pictures)
Gnd on Top, Bottom, In1.Cu: 126.65,16.87 104.95,16.77 88.45,16.87 87.65,17.97 81.45,17.97 80.05,20.28 68.05,20.47 62.65,18.37 43.75,17.87 42.85,5.67 -0.05,5.27 -0.85,91.47 16.85,91.87 16.8,82.97 19.79,82.97 19.78,80.57 16.78,80.57 16.75,76.17 21.25,76.17 21.65,91.67 42.75,91.57 42.75,103.77 65.35,103.77 65.35,106.17 81.45,106.27 81.45,103.77 88.75,103.77 88.95,102.47 127.25,102.47
Vcc on In2.Cu: 126.65,16.87 104.95,16.77 88.45,16.87 87.65,17.97 81.45,17.97 80.05,20.28 68.05,20.47 62.65,18.37 43.75,17.87 42.85,5.67 -0.05,5.27 -0.85,91.47 19.86,91.63 19.76,75.93 21.25,76.17 21.65,91.67 42.75,91.57 42.75,103.77 65.35,103.77 65.35,106.17 81.45,106.27 81.45,103.77 88.75,103.77 88.95,102.47 127.25,102.47

## Text on the board
F.Fab: Conn_01x02_Female
F.Silkscreen: Licensed under CC BY-NC-SA 4.0 / Copyright Quentin Lebastard 2022 | FLEX PCB MOD FOR SCYLLA AND CHARYBDIS / 2021 QUENTIN LEBASTARD / 2022 FREZNEL STA. ANA / Supports MX, Choc V1 and V2, and KS-27 switches | REV 2.48.1 | BASTARDKB.COM | GITHUB.COM/BASTARDKB | C1R1 | C1R2 | C1R3 | C1R4 | C2R1 | C2R2 | C2R3 | C2R4 | C3R3 | C3R4 | C3R1 | C3R2 | C4R3 | C4R4 | C4R1 | C4R2 | C5R1 | C5R3 | C5R4 | C5R2 | C6R4 | C6R1 | C6R2 | C6R3 | C5 | C6 | C4 | R5 | C2 | C3 | R1 | C1 | R2 | R4 | R3 | Custom keyboards designed in the Netherlands | RIGHT | DIN | 5V | VCC | GND | DOUT
